# Altium PCB RHR075_GFC_ECAT_DNET_RS485_ALL_rev5.PcbDoc (part 2 of 4)
Units mil, origin at the board's own origin, x right, y up, seen from the top; angles counter-clockwise.
Board outline 4724.41 x 5905.51 mil, 4 copper layers (Top Layer, GND, Mid-Layer 1, Bottom Layer); 386 components, 228 nets, 1523 pads, 966 vias.
Unrouted connection lines stored in the file: 1.
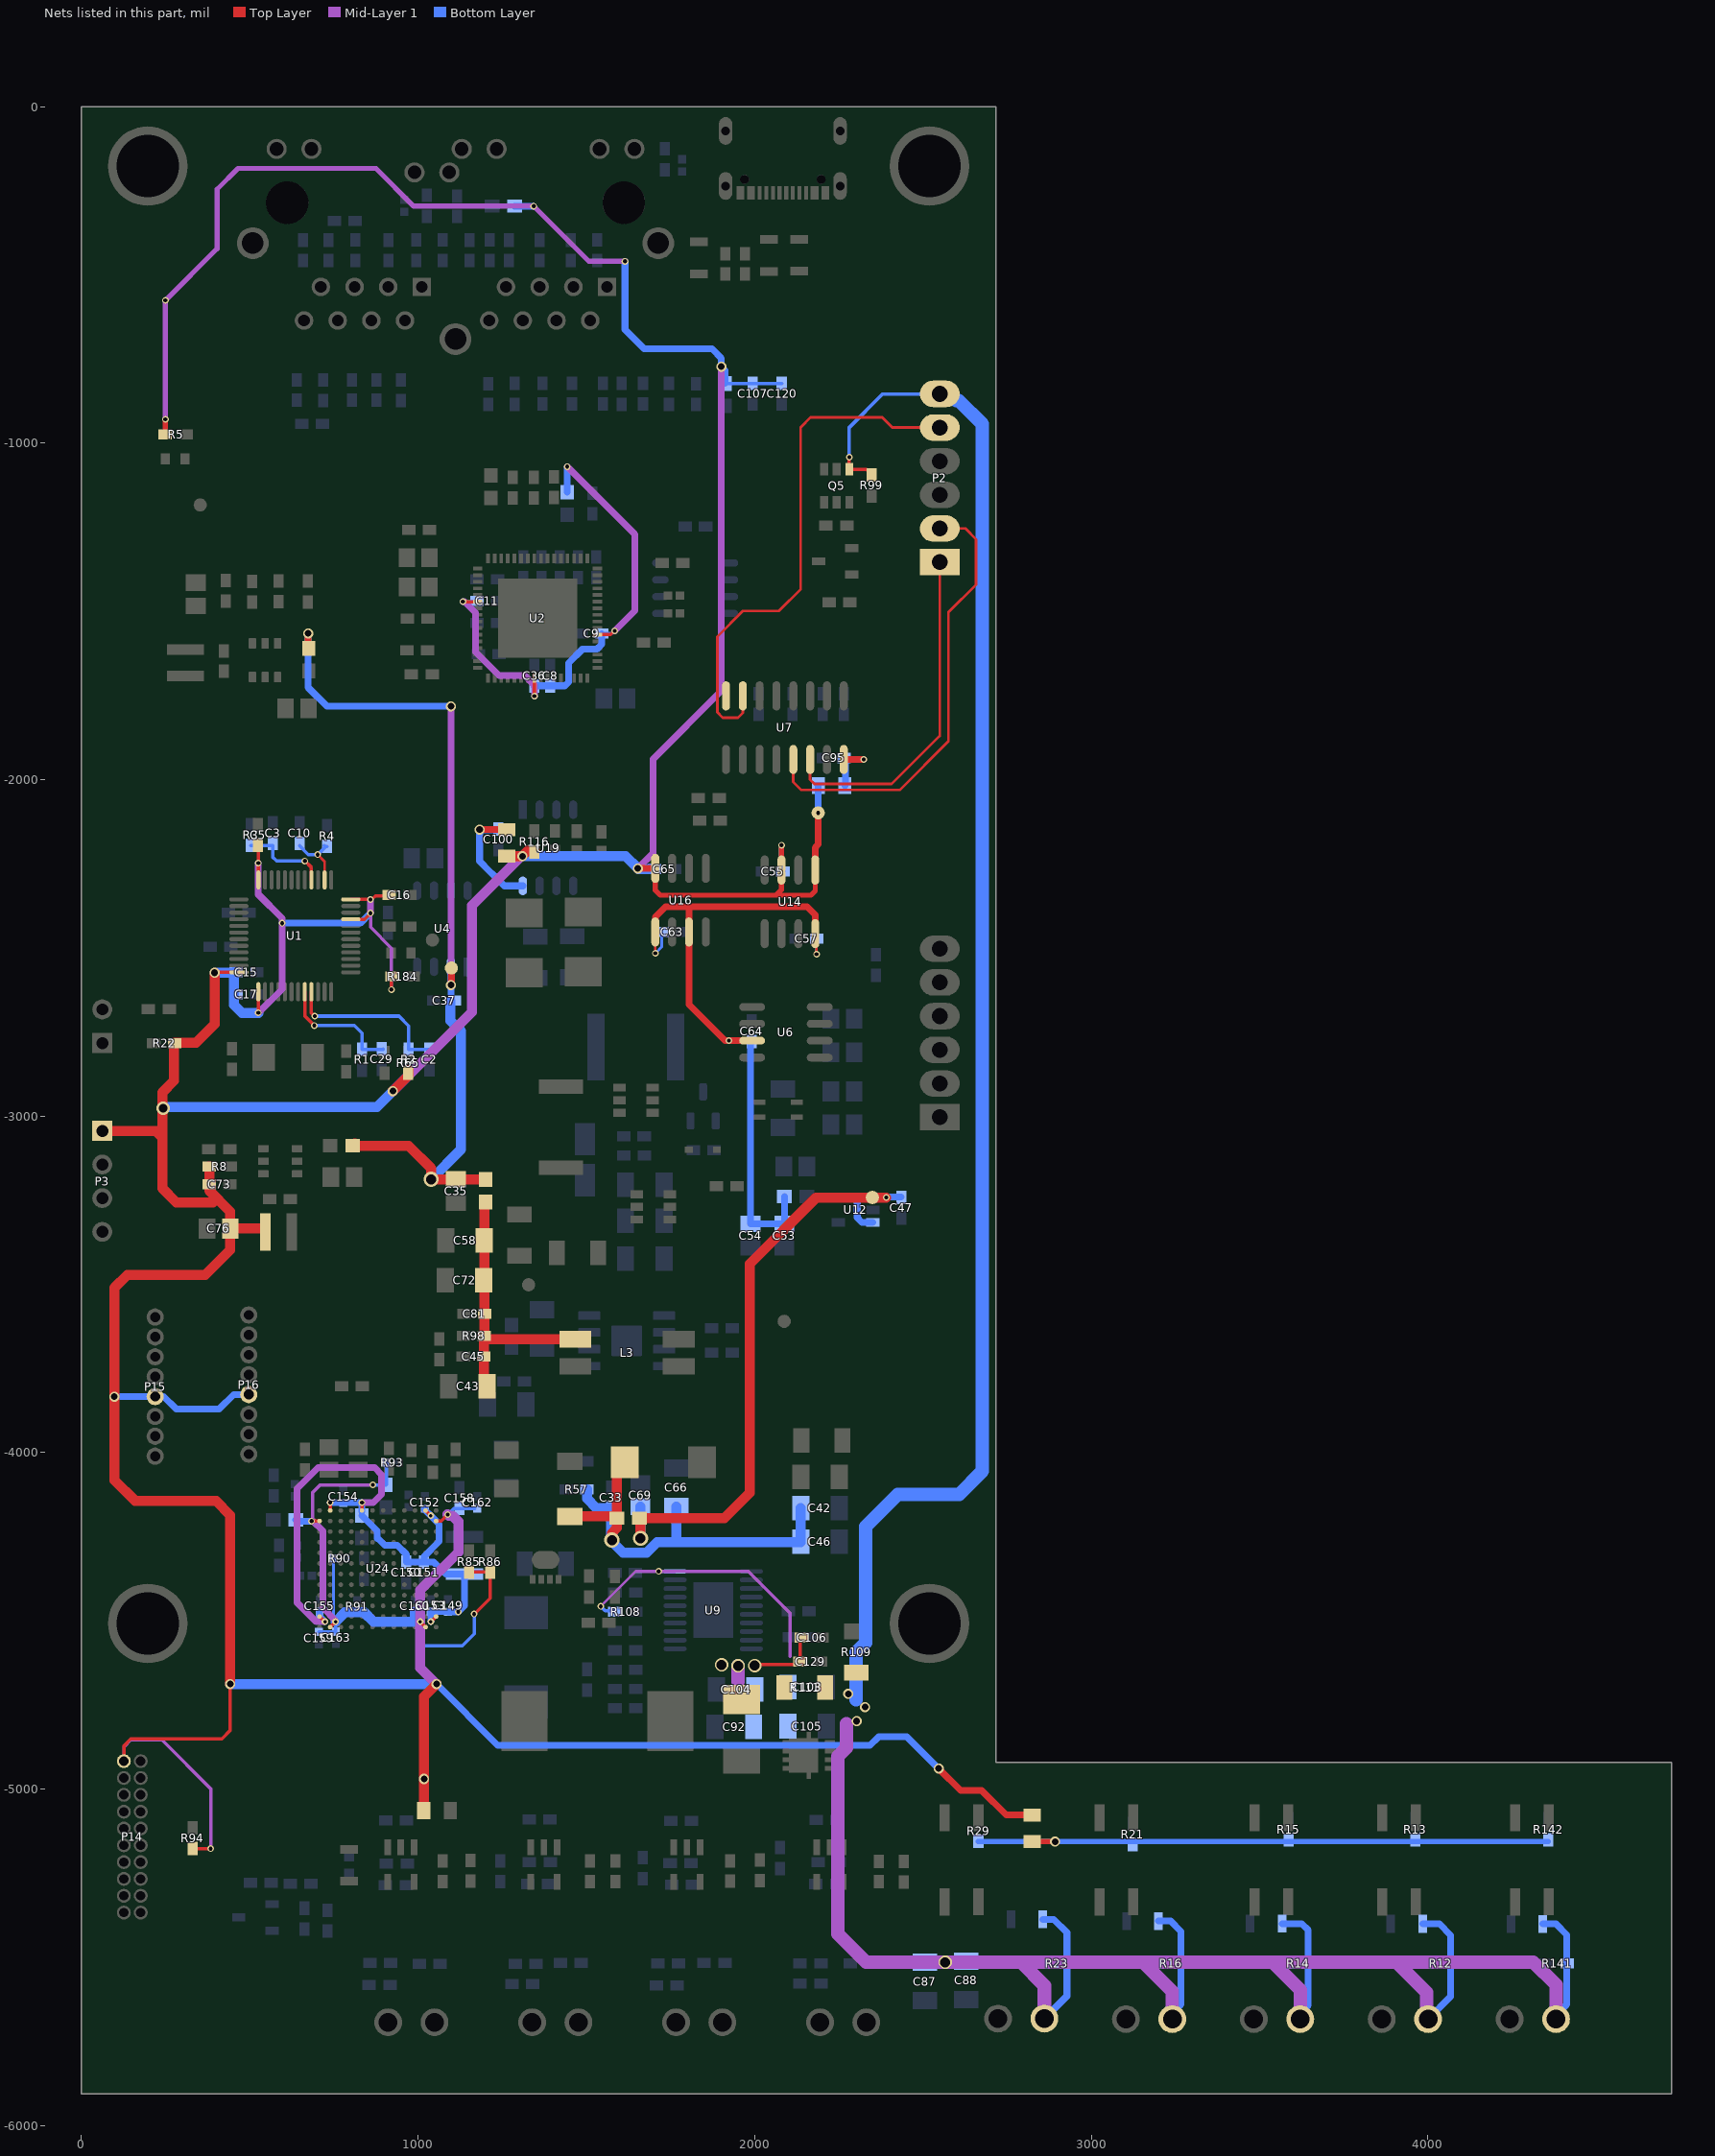
[diagram p4: the nets of this part, all layers, seen from the top]

## Part data
C1 C6 C8 C67 C68 C107 C108 C120 C121: library part Capacitor_0603, Package=0603, PartNumber=CL10A105KB8NNNC, TempCo=[tempco], Tolerance=[tol], Voltage Rating=[voltage], SupplierDescription="CAP CER 1UF 25V X5R 0603"
C2 C3 C5 C10 C14 C15 C16 C17 C26 C29 C30 C61 C89 C90 C93 C94 C98 C100: library part CAP, Package=0603, PartNumber=CC0603KRX7R9BB104
C4 C9 C11 C18 C19 C20 C34 C56 C77 C78 C109 C110 C114 C122 C123 C128: library part Capacitor_0402, Package=0603, PartNumber=CC0603KRX7R9BB104, TempCo=[tempco], Tolerance=[tol], Voltage Rating=[voltage], SupplierDescription="CAP CER 0.1UF 16V X7R 0402"
C7 C12: library part CAP, Package=0603, PartNumber=CC0603JRNPO9BN200
C13 C28 C37: library part CAP, Package=0603, PartNumber=CL10A105KB8NNNC
C21 C22 C25 C32 C33 C47 C55 C57 C63 C64 C65 C70 C81 C101 C115 C117 C118 C119 C130 C136 C138: library part Capacitor_0603, Package=0603, PartNumber=CC0603KRX7R9BB104, TempCo=[tempco], Tolerance=[tol], Voltage Rating=[voltage], SupplierDescription="CAP CER 0.1UF 50V X7R 0603"
C23 C76: library part Capacitor_0805, Package=0805, PartNumber=CL21A226MAYNNNE, TempCo=[tempco], Tolerance=[tol], Voltage Rating=[voltage], SupplierDescription="CAP CER 22UF 10V X5R 0805"
C24 C59: library part Capacitor_0805, Package=0805, PartNumber=CC0805JRNPOBBN100, TempCo=[tempco], Tolerance=[tol], Voltage Rating=[voltage], SupplierDescription="CAP CER 10PF 500V C0G/NP0 0805"
C27 C31 C60 C62: library part Capacitor_1206, Package=1206, PartNumber=CL31B475KBHNNNE, TempCo=[tempco], Tolerance=[tol], Voltage Rating=[voltage], SupplierDescription="CAP CER 4.7UF 50V X7R 1206"
C35 C51 C53 C54 C69 C71: library part Capacitor_0805, Package=0805, PartNumber=CL21A106KBYQNNE, TempCo=[tempco], Tolerance=[tol], Voltage Rating=[voltage], SupplierDescription="CAP CER 10UF 10V X5R 0805"
C36: library part Capacitor_0402, Package=0603, PartNumber=CC0603KRX7R9BB471, TempCo=[tempco], Tolerance=[tol], Voltage Rating=[voltage], SupplierDescription="CAP CER 470PF 50V X7R 0402"
C38: library part Cap, Package=0805, PartNumber=CL21A106KBYQNNE, PackageDescription="Radial Cap, Thru-Hole; 2 Leads; 0.3 in Pin Spacing", PackageReference=RAD-0.3, Published=8-Jun-2000, Publisher="Altium Limited"
C39 C40 C111 C112 C113 C116 C124 C125 C126 C127: library part Capacitor_0603, Package=0603, PartNumber=CC0603JRNPO9BN100, TempCo=[tempco], Tolerance=[tol], Voltage Rating=[voltage], SupplierDescription="CAP CER 10PF 50V C0G/NPO 0603"
C41 C87 C88: library part Capacitor_1206, Package=1206, PartNumber=CL31A106KBHNNNE, TempCo=[tempco], Tolerance=[tol], Voltage Rating=[voltage], SupplierDescription="CAP CER 10UF 25V X5R 1206"
C42: library part Capacitor_1206, Package=1206, PartNumber=GRM31CR61A107MEA8L, TempCo=[tempco], Tolerance=[tol], Voltage Rating=[voltage], SupplierDescription="CAP CER 100UF 10V X5R 1206"
C43 C46 C58 C66 C72: library part Capacitor_1206, Package=1206, PartNumber=GRM31CR61E476ME44L, TempCo=[tempco], Tolerance=[tol], Voltage Rating=[voltage], SupplierDescription="CAP CER 100UF 10V X5R 1206"
C44: library part Capacitor_0603, Package=0603, PartNumber=C0603C220J1GACTU, TempCo=[tempco], Tolerance=[tol], Voltage Rating=[voltage], SupplierDescription="CAP CER 22PF 100V C0G/NP0 0603"
C45 C74 C91: library part Capacitor_0603, Package=0603, PartNumber=0603B103K500NT, TempCo=[tempco], Tolerance=[tol], Voltage Rating=[voltage], SupplierDescription="CAP CER 10000PF 50V X7R 0603"
C48 C49: library part Capacitor_0805, Package=0805, TempCo=[tempco], Tolerance=[tol], Voltage Rating=[voltage], SupplierDescription="CAP CER 10PF 500V C0G/NP0 0805"
C50: library part Capacitor_0805, Package=0805, PartNumber=CC0805KKX7R9BB225, TempCo=[tempco], Tolerance=[tol], Voltage Rating=[voltage], SupplierDescription="CAP CER 2.2UF 25V X7R 0805"
C52: library part Capacitor_0603, Package=0805, PartNumber=GRM188R61A106KE69D, TempCo=[tempco], Tolerance=[tol], Voltage Rating=[voltage], SupplierDescription="CAP CER 10UF 10V X5R 0603"
C73 C156 C157: library part Capacitor_0603, Package=0603, TempCo=[tempco], Tolerance=[tol], Voltage Rating=[voltage]
  C73: SupplierDescription="CAP CER 10000PF 50V X7R 0603"
  C156 C157: SupplierDescription="CAP CER 10PF 50V C0G/NPO 0603"
C75: Operating Temp Range=-55Cto125C, Package / Case=7343-31, Package Reference=TAJ-D-2, Tolerance=±10%, Voltage Rating (DC)=16V, Mounting Style=SurfaceMount, Packaging=TapeandReel, PartNumber=TAJD107K016RNJ, Polarity=Polar, Product Depth (mm)=4.3mm, Product Diameter (mm)=NotRequiredmm, Product Height (mm)=2.9mm, Product Length (mm)=7.3mm, Publisher="Bolgen Studio", Rad Hardened=No, Seal=NotRequired, Seated Plane Height=NotRequiredmm, Wire Form=NotRequired
C79: library part Capacitor_1206, "Capacitor, MLCC", Manufacturer=KEMET, Package=2220, PartNumber=FS55X226K500EHG, Voltage Rating=[voltage]
C80 C83 C84 C92 C103 C104 C105: library part Capacitor_1206, "Capacitor, MLCC", Manufacturer=KEMET, Package=1206, PartNumber=C3216X5R1V226MTJ00E, Voltage Rating=[voltage]
C82: library part Capacitor_1206, Package=1206, PartNumber=CC1206KKX7RDBB102, TempCo=[tempco], Tolerance=[tol], Voltage Rating=[voltage], SupplierDescription="CAP CER 1000PF 1KV X7R 1206"
C85 C86: library part Capacitor_0603, "Capacitor, MLCC", Manufacturer=KEMET, Package=0603, PartNumber=CC0603KRX7R9BB104, Voltage Rating=[voltage]
C95 C96 C97 C99 C161: library part C, Package=0603, PartNumber=CC0603KRX7R9BB104
C102 C131 C137 C139 C144 C147 C150 C151 C158: library part Capacitor_0603, Package=0603, PartNumber=GRM188R61E106MA73D, TempCo=[tempco], Tolerance=[tol], Voltage Rating=[voltage]
  C102 C131 C137 C139: SupplierDescription="CAP CER 0.1UF 50V X7R 0603"
  C144 C147 C150 C151 C158: SupplierDescription="CAP CER 10UF 10V X5R 0603"
C106 C129 C132 C133 C134 C140: library part Capacitor_0603, "Capacitor, MLCC", Manufacturer=KEMET, Package=0603, Voltage Rating=[voltage]
C135: library part Capacitor_0603, "Capacitor, MLCC", Manufacturer=KEMET, Package=0603, PartNumber=CL10A105KB8NNNC, Voltage Rating=[voltage]
C145 C146 C148 C149 C152 C153 C154 C155 C159 C160 C162 C163: library part Capacitor_0402, Package=0402, TempCo=[tempco], Tolerance=[tol], Voltage Rating=[voltage], SupplierDescription="CAP CER 0.1UF 16V X7R 0402"
D1: Minimum Operating Temperature=-65C, Package / Case=SOD-323, Package Description="2-Pin Surface Mount Device, Body 1.7 x 1.3 mm", Package Reference=SOD323-2, PartNumber=BZT52C12S, Pd - Power Dissipation=200mW, Voltage Temperature Coefficient=0.25mV/C, Voltage Tolerance=5%, Vz - Zener Voltage=12V, Zener Current=5mA, Mounting Style=SMD/SMT, Mounting Technology=SurfaceMount, Package URL=http://www.vishay.com/docs/71192/71192.pdf, Packaging=Reel, Product Category=ZenerDiodes, RoHS=True, Series=BZT52C12, Termination Style=SMD/SMT, Unit Weight=0.000173oz, Width=1.4mm, Zz - Zener Impedance=40Ohms
D2: PartNumber=SM340AF, Mounting Technology="Surface Mount", PackageDescription="2-Pin Small Molded Package, Body 2.6 x 4.3 mm", PackageReference=SMA-FL-2-403AA-01, PackageVersion="Rev. O, 03/2011", Packing="Tape and Reel", PPK Max (W)=600, RoHS=Pb-Free, V(BR) Typ (V)=6.7
D3 D4 D7 D10 D59: library part LL4148, PartNumber=1N4148WS, 制造商=VISHAY, 名称=快速开关二极管, 版本=V1.00, 物料编号=APLLY
D5 D6 D8 D13 D78 D79: library part "DIODE S"
  D5 D6 D8: PartNumber=CESDB5V0D3
  D13: PartNumber=PESD3V3L1BA
  D78 D79: PartNumber=SMBJ6.5A
D9: library part SMAJ12CA, Package Description="2-Pin Surface Mount Device, Body 4.295 x 2.595 mm", Package Reference=DO-214AC, Power Dissipation=400W, Mounting Technology=SurfaceMount, PartNumber=SMAJ33CA
D11 D12: library part FSV340AF, "Schottky Barrier Rectifier, 40 V, 2-Pin SMA-FL, Pb-Free, Tape and Reel", Manufacturer="On Semiconductor"
  D11: PartNumber=SS10200B
  D12: PartNumber=B540C-13-F
F5: library part "Fuse 1", PartNumber=BSMD1206-050-30V, PackageDescription="Thru-Hole; 2 Leads", PackageReference=PIN-W2/E2.8, Published=8-Jun-2000, Publisher="Altium Limited"
F7 F8: library part "Fuse 1", PartNumber=SMD1210-020, PackageReference=PIN-W2/E2.8, Published=8-Jun-2000, Publisher="Altium Limited"
FB1 FB2 FB4 FB5 FB10 FB11 FB12 FB15 FB16 FB17: PartNumber=BLM18AG601SN1D, SupplierDescription="FERRITE BEAD 600 OHM 0603 1LN"
FB3: library part FBC0603, PartNumber=BLM31PG121SN1L, SupplierDescription="FERRITE BEAD 600 OHM 0603 1LN"
FB6 FB9 FB18: PartNumber=PE-0603PFB121ST, SupplierDescription="FERRITE BEAD 600 OHM 0603 1LN"
FB7 FB8 FB13 FB14: library part FB, Package=0805, PartNumber=BLM21PG221SN1D, Part Field 1="磁珠/0603/1K ohm/100MHz", Text Field1=FB
J1: library part "TYPE C_16P", PartNumber=TYPEC-304J-BCP16
L1 L2: Operating Temperature=-40°C~105°C, Package / Case=Nonstandard, Package Description="2-Pin Surface Mount Device, Body 10 x 9.7 mm", Package Reference=VLS252012, Standard Package=500, Tolerance=±20%, Mounting Technology=SurfaceMount, Mounting Type=SurfaceMount, Online Catalog=VLSSeries, Packaging=Tape&Reel(TR), PartNumber=BDCD002520122R2MS1, Series=VLF, Shielding=Shielded, Type=Wirewound
L3: Tolerance="+/- 10%", Mounting Technology="Surface Mount", One Winding (A)=0.58, PackageDescription="4-Pin SMD, Body 10.3 x 10.3 mm, Height 4.8 mm", PackageReference=MSD1048-4, Packing="Tape and Reel", PartNumber=MSD1048-103MED, RoHS=TRUE, SRF (MHz)=22
L4: Operating Temperature=-40degC~85degC, Package / Case=1210(3225Metric),4Lead, Package Description="4-Pin Surface Mount Device, Body 3.2 x 2.5 mm, Pitch 1.15 mm", Package Reference=ACP3225-102-2P-T000-4, PartNumber=AD8615AUJZ-R2, Standard Package=1, Mounting Type=SurfaceMount, Number of Lines=2, Online Catalog=ACPSeries, Other Names=445-8637-6, Packaging=Digi-Reel, Series=ACP, Size / Dimension="0.126\"Lx0.098\"W(3.20mmx2.50mm)"
L5: library part FXL0630-100-M, "Wire Wound Molded SMD Power Inductor, 10 uH, +/- 20%, -40 to 105 degC, 2-Pin SMD (0630), RoHS, Tape and Reel", Manufacturer="CJiang Technology", PartNumber=FCH1365-220M
L7: PartNumber=1276AS-H-100M=P2, Rated Current="250 mA", Mounting Technology="Surface Mount", PackageDescription="2-Pin SMT Inductor, 3.2 x 2.5 mm Body", PackageReference=IND1210
LED1 LED2: library part LED, Package=0603
P1 P5 P6 P7 P8 P10 P11 P12 P13: library part "Header 2", PartNumber=KF250NH-3.5-2P, Publisher="Altium Limited"
P2 P4: library part "Header 6", PartNumber=ZX-XH2.54-6PZZ, Publisher="Altium Limited"
P3: PartNumber=PZ254V-11-04P, Publisher="Altium Limited"
P9: PartNumber=PZ254V-11-02P, Publisher="Altium Limited"
P14: Package Description="Male Header, Pitch 1.27 mm, 2 x 10 Position, Height 6.25 mm", Mounting Technology=THT, Mounting Type=THT, Number of Positions=20, Number of Positions Loaded=All, Number of Rows=2, Package Reference=FTSH-110-01-F-D-K, Package URL=http://suddendocs.samtec.com/prints/ftsh-1xx-xx-xxx-dv-xxx-xxx-mkt.pdf, Packaging=Tube, Pitch="0.050\"(1.27mm)", Row Spacing="0.050\"(1.27mm)", Series=FTSH, Termination=Solder
P15 P16: library part "Header 8", "Header, 8-Pin", LatestRevisionDate=17-Jul-2002, LatestRevisionNote="Re-released for DXP Platform.", PartNumber=HC-ZH1.5-8A, Publisher="Altium Limited"
Q1 Q2: Package Description="6-Pin Thin Small Outline Package, Body 3 x 1.65 mm, Pitch 1.00 mm", Package Reference=TSOP-6, PartNumber=PMN50XP-VB, Rated Power Dissipation=2W, Mounting Technology=SurfaceMount, Qg Gate Charge=25nC
Q3: library part PUT, "Programmable Unijunction Transistor", PartNumber=TLV431BIDBZR, LatestRevisionDate=17-Jul-2002, LatestRevisionNote="Re-released for DXP Platform.", PackageReference=TO-52, Published=8-Jun-2000, Publisher="Altium Limited"
Q4: library part NPN, "NPN Bipolar Transistor", Code_JEDEC=TO-226-AA, LatestRevisionDate=17-Jul-2002, LatestRevisionNote="Re-released for DXP Platform.", PackageReference=TO-226, PartNumber=MMBTA05L, Published=8-Jun-2000, Publisher="Altium Limited"
Q5: "Automotive P-Channel MOSFET, 6.9 A, 40 V, -55 to 175 degC, 6-Pin TSOP, RoHS, Tape and Reel", Drain-Source On Resistance-Max=112mO, Drain-to-Source Voltage [Vdss]=40V, Manufacturer="International Rectifier", Package Description="6-Pin Thin Small Outline Package, Body 3 x 1.65 mm, Pitch 1.00 mm", Package Reference=TSOP-6, PartNumber=PMN50XP-VB, Rated Power Dissipation=2W, Channel Type=P-Channel, Datasheet URL=https://www.vishay.com/docs/65332/sq3419aeev.pdf, Datasheet Version=04/2010, Manufacturer URL=https://www.vishay.com/, Mounting Technology=SurfaceMount, Qg Gate Charge=25nC
Q6: Manufacturer="HXY MOSFET(华轩阳电子)", PartNumber=AON7264E-HXY
Q7: library part GT700P08D3, Manufacturer=GOFORD(谷峰), PartNumber=GT130N10D3
Q9: library part OEM_Diodes_MMBT4403, PartNumber=MMBT4403-7-F
R1 R2 R3 R4: library part Resistor_0603, Package=0603, PartNumber=RC0603FR-0749R9L, Power Rating=[power], TempCo=[tempco], Tolerance=tol, SupplierDescription="RES SMD 1K OHM 1% 1/10W 0603"
R5 R10 R31 R73 R184: library part R, Package=0603, PartNumber=RC0603FR-071KL
R6: library part Resistor_0402, Package=0603, PartNumber=RC0603FR-0710KL, Power Rating=[power], TempCo=[tempco], Tolerance=tol, SupplierDescription="RES SMD 10K OHM 1% 1/10W 0402"
R7: library part Resistor_2512, Package=2512, Power Rating=[power], TempCo=[tempco], Tolerance=tol, SupplierDescription="RES 0.68 OHM 5% 1W 2512"
R8 R26: library part Resistor_0603, Package=0603, PartNumber=RC0603FR-0733KL, Power Rating=[power], TempCo=[tempco], Tolerance=tol, SupplierDescription="RES SMD 33K OHM 1% 1/10W 0603"
R9 R24 R30: library part Resistor_0603, Package=0603, PartNumber=RC0603FR-0710KL, Power Rating=[power], TempCo=[tempco], Tolerance=tol, SupplierDescription="RES SMD 10K OHM 1% 1/10W 0603"
R11 R32 R71 R80 R92: library part Resistor_0603, Package=0603, PartNumber=RC0603JR-070RL, Power Rating=[power], TempCo=[tempco], Tolerance=tol
  R11 R32: SupplierDescription="RES SMD 1K OHM 1% 1/10W 0603"
  R71 R80 R92: SupplierDescription="RES SMD 0 OHM JUMPER 1/10W 0603"
R12 R14 R16 R23 R141: library part Res0805M, Package=0603, PartNumber=RC0603FR-0751KL
R13 R15 R21 R29 R142: library part RES2, Package=0603, PartNumber=RC0603FR-07510RL
R17 R20 R66 R74: library part Resistor_0402, Package=0402, PartNumber=MR04X1002FTL, Power Rating=[power], TempCo=[tempco], Tolerance=tol, SupplierDescription="RES SMD 10K OHM 1% 1/10W 0402"
R18: library part Resistor_0402, Package=0603, PartNumber=RC0402FR-0733RL, Power Rating=[power], TempCo=[tempco], Tolerance=tol, SupplierDescription="RES SMD 33 OHM 1% 1/16W 0402"
R19: library part Resistor_1206, Package=1206, PartNumber=RC1206FR-071ML, Power Rating=[power], TempCo=[tempco], Tolerance=tol, SupplierDescription="RES SMD 1M OHM 1% 1/4W 1206"
R22 R38 R39 R45 R46 R56 R60 R62 R65 R82: library part R, Package=0603, PartNumber=RC0603FR-0710KL
R25 R33 R50 R54 R55 R108: library part Resistor_0603, "Resistor, Standard", Manufacturer=Yageo, Package=0603
R27: library part Resistor_0603, Package=0603, PartNumber=RS-03K1212FT, Power Rating=[power], TempCo=[tempco], Tolerance=tol, SupplierDescription="RES 12.1K OHM 1% 1/10W 0603"
R28: library part Resistor_0603, Package=0603, PartNumber=RK73H1JTTD16R0F, Power Rating=[power], TempCo=[tempco], Tolerance=tol, SupplierDescription="RES SMD 20 OHM 1% 1/8W 0603"
R34 R40 R47 R49 R51 R61 R63 R83 R116 R192: library part R, Package=0603, PartNumber=RC0603FR-07100KL
R35 R85 R86: library part Resistor_0603, Package=0603, PartNumber=RC0603FR-071KL, Power Rating=[power], TempCo=[tempco], Tolerance=tol, SupplierDescription="RES SMD 1K OHM 1% 1/10W 0603"
R36: library part Resistor_0603, Package=0603, PartNumber=FRC0603F1692TS, Power Rating=[power], TempCo=[tempco], Tolerance=tol, SupplierDescription="RES SMD 16.9K OHM 1% 1/10W 0603"
R37 R42 R43 R52 R53 R58 R59 R95 R96 R193: library part R, Package=0603
R41 R64 R94: library part Resistor_0603, Package=0603, Power Rating=[power], TempCo=[tempco], Tolerance=tol
  R41 R64: SupplierDescription="RES SMD 1K OHM 1% 1/10W 0603"
  R94: SupplierDescription="RES SMD 10K OHM 1% 1/10W 0603"
R44 R48 R81 R84: library part R, Package=0603, PartNumber=RT0603BRD0775RL
R57: library part Resistor_0603, Package=0603, PartNumber=RT0603BRD07100RL, Power Rating=[power], TempCo=[tempco], Tolerance=tol, SupplierDescription="RES SMD 100 OHM 1% 1/10W 0603"
R67 R68 R69 R70 R76 R77 R78 R79: library part Resistor_0603, Package=0603, PartNumber=0603WAF499JT5E, Power Rating=[power], TempCo=[tempco], Tolerance=tol, SupplierDescription="RES SMD 49.9 OHM 1% 1/10W 0603"
R72 R75: library part Resistor_0603, Package=0603, PartNumber=RC0603FR-07120RL, Power Rating=[power], TempCo=[tempco], Tolerance=tol, SupplierDescription="RES SMD 120 OHM 1% 1/10W 0603"
R87 R88: library part R, Package=0603, PartNumber=RC0603FR-074K7L
R89 R90 R91 R93: library part Resistor_0402, Package=0402, Power Rating=[power], TempCo=[tempco], Tolerance=tol
  R89: SupplierDescription="RES SMD 6.49K OHM 1% 1/16W 0402"
  R90 R91 R93: SupplierDescription="RES SMD 10K OHM 1% 1/10W 0402"
R97: library part Resistor_0603, "Resistor, Standard", Manufacturer=Yageo, Package=0603, PartNumber=RC0603FR-0710KL
R98: library part Resistor_0603, Package=0603, PartNumber=0603WAF7502T5E, Power Rating=[power], TempCo=[tempco], Tolerance=tol, SupplierDescription="RES SMD 75K OHM 1% 1/10W 0603"
R99 R101: library part Resistor_0603, "Resistor, Standard", Package=0603, PartNumber=RC0603FR-0710KL, TempCo=[tempco], Tolerance=tol, ComponentLink1Description=Datasheet, SupplierDescription="RES SMD 0 OHM JUMPER 1/10W 0603"
R100: library part Resistor_0603, "Resistor, Standard", Package=0603, PartNumber=RC0603FR-071KL, TempCo=[tempco], Tolerance=tol, ComponentLink1Description=Datasheet, SupplierDescription="RES SMD 0 OHM JUMPER 1/10W 0603"
R102: library part Res1, "Resistor", Package=0603, PartNumber=RT0603BRD07100RL, LatestRevisionDate=17-Jul-2002, LatestRevisionNote="Re-released for DXP Platform.", PackageReference=AXIAL-0.3, Published=8-Jun-2000, Publisher="Altium Limited"
R103 R105: library part Res1, "Resistor", Package=0603, PartNumber=RT0603BRD0720KL, LatestRevisionDate=17-Jul-2002, LatestRevisionNote="Re-released for DXP Platform.", PackageReference=AXIAL-0.3, Published=8-Jun-2000, Publisher="Altium Limited"
R104: library part Res1, "Resistor", Package=0603, PartNumber=RT0603BRD07200RL, LatestRevisionDate=17-Jul-2002, LatestRevisionNote="Re-released for DXP Platform.", PackageReference=AXIAL-0.3, Published=8-Jun-2000, Publisher="Altium Limited"
R106: library part Resistor_0603, "Resistor, Standard", Manufacturer=Yageo, Package=1206
R107: library part Resistor_0603, "Resistor, Standard", Manufacturer=Yageo, Package=0603, PartNumber=RC0603FR-071KL
R109 R111: library part Resistor_2512, Package=1206, Power Rating=[power], TempCo=[tempco], Tolerance=tol, SupplierDescription="RES 0.68 OHM 5% 1W 2512"
R110: library part R, Package=0603, PartNumber=RC0603FR-07120RL
T12: Operating Temperature="0 to +70degC", Part Number=KRJ-211GYNL, Mounting Technology=THT, Packaging=Tube, PartNumber=KRJ-215GYZNL, PoE=non-PoE, Port Number=1x2, Published Date="July 2019", Publisher=DGKYD, Shield Tabs=Yes, Tab=Down, USB=No
U1: Operating Frequency(F) (Processor speed) (MHz)=170, Package Description="48-Pin Low Profile Quad Flat Package, Body 7 x 7 mm, Pitch 0.5 mm", Package Reference=LQFP48, Supply Voltage(Vcc) max (V)=3.6, Supply Voltage(Vcc) min (V)=1.71, Mounting Technology="Surface Mount", Packing=Tray, PartNumber=STM32G473CET6
U2: library part LAN9252_QFN64, Package=QFN64-9X9x1, Supplier Part Number 1=LAN9252I/ML-ND, Owner=Manikandan, PartNumber=LAN9252, Populated=Yes, RoHS=Yes, Status=New, Supplier 1=Digikey
U3: Memory Case Style=SOIC, Operating Temperature Max=85°C, Operating Temperature Min=-40°C, Package Description="8-Pin Small Outline Integrated Circuit, Body 4.9 x 3.9 mm, Pitch 1.27 mm", Package Reference=SO8N, Supply Voltage Max=5.5V, Supply Voltage Min=1.8V, Memory Size=512Kbit, Mounting Technology=SurfaceMount, MSL=-, No. of Pins=8Pins, Packaging=Each, PartNumber=M24512-RMN6TP, Product Range=32KbitSerialSPIEEPROMs, SVHC=NoSVHC(17-Dec-2015)
U4: library part REF5030, PartNumber=REF5030IDR
U5 U10: Min Operating Temperature="-40 degC", Package Quantity=1, Resistance="50 Ohm", Mount="Surface Mount", PackageDescription="6-Pin Small Outline Transistor, Body 2.9 x 1.6 mm, Pitch 0.95 mm", PackageReference=DDC0006A, Packaging="Cut Tape", PartNumber=TPS562201DDCR, Pins=5, RoHSCompliant=true, Shielding=Unshielded, Width="1.01 mm"
U6: Package / Case="8-SOIC(0.154\",3.90mmWidth)", Package Description="8-Pin Small Outline Integrated Circuit, Body 4.9 x 3.9 mm, Pitch 1.27 mm", Package Reference=SOT96-1, Standard Package=1, Supplier Device Package=8-SO, Voltage - Supply=4.75V~5.25V, Minimum Quantity=Transceiver, Mounting Type=SurfaceMount, Number of Drivers/Receivers=1/1, Other Names=568-10292-1, Package/Case="8-SOIC(0.154\",3.90mmWidth)", Packaging=CutTape(CT), PCN Obsolescence="TJA105028/Apr/2013 /  / MultipleDevices19/Apr/2013", PCN Packaging=LighterPackingReels30/Mar/2014, Product Training Modules=CANandLINBusTransceiver, Protocol=CAN, Quantity Available=CutTape(CT)AlternatePackaging, Receiver Hysteresis=70mV, Type=Transceiver
U8 U20 U21 U22: library part AD8615, PartNumber=AD8615AUJZ-R2
U9: Manufacturer=TI(德州仪器), PartNumber=LM25118MHX/NOPB
U12: Min Current Limit=400mA, Min Input Voltage=2.5V, Min Operating Temperature=-40degC, Nominal Output Voltage=3.3V, Output Current=300mA, Package Description="5-Pin Small Outline Transistor, Body 1.6 x 2.9 mm, Pitch 0.95 mm", Package Reference=SOT-23, Mount=SurfaceMount, Mounting Technology=SurfaceMount, Number of Pins=5, Number of Regulators=1, Output Voltage=3.3V, Packaging=CutTape, PartNumber=ME6119C50M5G, REACH SVHC=NoSVHC, RoHSCompliant=True
U13 U15 U17 U18 U33: library part Optoisolator1, PackageReference=DIP-4, PartNumber=AQY212S, Published=24-Mar-1999, Publisher="Altium Limited"
U19: library part SN65HVD06D, PartNumber=BL3085
U24: Operating Frequency(F) (Processor speed) (MHz)=72, Mounting Technology="Surface Mount", PackageDescription="144-Ball Low Profile Fine Pitch BGA, 10 x 10 x 1.7 mm Body, 0.8 mm Pitch", PackageReference=LFBGA144, Packing=Tray, PartNumber="NETX 90"
X1 X2: library part 7M-25.000MEEQ-T, Operating Mode=Fundamental, Operating Temperature=-20°C~70°C, Package / Case=4-SMD,NoLead(DFN,LCC), Package Description="4-Pin Surface Mount Device, Body 3.2 x 2.5 mm", Package Reference=7M-4, Standard Package=1, Mounting Technology=SurfaceMount, Mounting Type=SurfaceMount, Other Names=887-1329-1, Packaging=CutTape(CT), PartNumber=X322525MMB4SI, Series=7M, Size / Dimension="0.126\"Lx0.098\"W(3.20mmx2.50mm)", Type=MHzCrystal
Y1: library part XTAL, PartNumber=X50328MSB2GI
U7: PartNumber=MAX3232ESE+
U11: PartNumber=LMR36520FADDAR, Publisher="Bolgen Studio"
U14 U16: Mounting Technology="Surface Mount", PackageDescription="8-Pin Standard Small Outline Package, Body 4.9 x 3.9 mm, Pitch 1.27 mm", PackageReference=R-8, PackageVersion="060506-A, 06/2006", PartNumber=ADUM1100ARZ-RL7

## Via types
v1: diameter 20, hole 12, Top Layer to Bottom Layer, tented both sides, 860 vias
v2: diameter 30, hole 20, Top Layer to Bottom Layer, tented both sides, 27 vias
v3: diameter 19.68, hole 9.84, Top Layer to Bottom Layer, 25 vias
v4: diameter 20, hole 10, Top Layer to Bottom Layer, tented both sides, 20 vias
v5: diameter 45, hole 30, Top Layer to Bottom Layer, tented both sides, 13 vias
v6: diameter 40, hole 30, Top Layer to Bottom Layer, tented both sides, 8 vias
v7: diameter 24, hole 12, Top Layer to Bottom Layer, 4 vias
v8: diameter 19.68, hole 7.87, Top Layer to Bottom Layer, 4 vias
v9: diameter 60, hole 40, Top Layer to Bottom Layer, tented both sides, 2 vias
v10: diameter 40, hole 20, Top Layer to Bottom Layer, tented both sides, 1 vias
v11: diameter 80, hole 60, Top Layer to Bottom Layer, tented both sides, 1 vias
v12: diameter 40, hole 25, Top Layer to Bottom Layer, tented both sides, 1 vias

## Nets (pads, with @x,y where several pads share a name; then routed paths per layer and width w, separated by ;. In a path a pad name is that pad's centre, name@x,y a point inside that pad or via, vN(x,y) a via of type N, cw(c..) or ccw(c..) an arc to the next point about the centre after c; other vN are vias at no path point)
3.3V_ISO: FB7.1 R13.2 R15.2 R21.2 R29.2 R142.2 | length 1762
  Top Layer w15: FB7.1@2825,-5156 v2(2893,-5156)
  Bottom Layer w15: R29.2@2664,-5155.57 3124,-5155.57 3587,-5155.57 3963,-5155.57 R142.2@4358,-5155.57
5V_DNET: C53.1 C54.1 C57.1 C63.1 C64.1 FB5.2 U6.3 U14.8 U16.1 U16.3 | length 2166.5
  Top Layer w8: v1(1705,-2516) U16.1@1705,-2453 ; v1@2180,-2515 v1(2183.98,-2518.98) 2183.98,-2476.5 2180,-2472.51 U14.8@2180,-2458
  Top Layer w20: U16.1@1705,-2453 1705,-2408 1735,-2378 2156,-2378 2180,-2402 U14.8@2180,-2458 ; 1805,-2380 U16.3@1805,-2453 1805,-2669 1912,-2776 v1(1924,-2776) U6.3@1992.61,-2776
  Bottom Layer w8: v1(1705,-2516) 1724.02,-2496.98 C63.1@1724.02,-2453 ; C64.1@1986.98,-2776 1989.02,-2776 C64.1@1992,-2778.98 ; v1(2183.98,-2518.98) C57.1@2183.98,-2472.51
  Bottom Layer w20: v1(1924,-2776) 1986.98,-2776 C64.1@1988,-2777.02 ; C64.1@1989.02,-2776 C64.1@1988,-2777.02 ; FB5.2@2088.52,-3238.65 2088.52,-3320.58 C53.1@2088,-3321.1 2087.45,-3320.55 C54.1@1988,-3320.55 C64.1@1988,-2777.02
24V_F: C87.1 C88.1 D3.2 D4.2 D7.2 D10.2 D59.2 P2.6 P7.1 P10.1 P11.1 P12.1 P13.1 Q5.4 R12.2 R14.2 R16.2 R23.2 R99.1 R109.1 R111.1 R141.2 | length 10403.3
  Top Layer w10: v1(2281.4,-1042.4) Q5.4@2281.4,-1077.79 2330.77,-1077.79 2333,-1080.02 2338,-1080.02 2348,-1090.02 R99.1@2348,-1095.02
  Mid-Layer 1 w40: 2273,-4806 2273,-4877 2247,-4903 2247,-5430.65 2330.78,-5514.43 v6(2566,-5514.43) 2791.43,-5514.43 ; P13.1@2861,-5682 2861,-5584 2791.43,-5514.43 ; P12.1@3241,-5683.51 3241,-5601 3154.43,-5514.43 ; P11.1@3621,-5683.51 3621,-5597 3538.43,-5514.43 ; P10.1@4001,-5683.51 3997,-5679.51 3997,-5604.43 3907,-5514.43 ; P7.1@4381,-5683.51 4381,-5582 4313.43,-5514.43 3907,-5514.43 ; 2791.43,-5514.43 3154.43,-5514.43 ; 3154.43,-5514.43 3538.43,-5514.43 ; 3538.43,-5514.43 3907,-5514.43
  Bottom Layer w10: v1(2281.4,-1042.4) 2281.4,-953.6 2381,-854 P2.6@2550,-854
  Bottom Layer w20: C87.1@2506,-5514.43 v6(2566,-5514.43) 2626,-5514.43 C88.1@2629,-5511.43 ; D10.2@2856.59,-5387 2889,-5387 2928,-5426 2928,-5615 P13.1@2861,-5682 ; D7.2@3199.59,-5392 3236,-5392 3267.06,-5423.06 3267.06,-5640.5 3241,-5666.55 P12.1@3241,-5683.51 ; D4.2@3567,-5400 3626,-5400 3645,-5419 3645,-5642.55 3621,-5666.55 P11.1@3621,-5683.51 ; D3.2@3984.59,-5400.51 4034.51,-5400.51 4068.06,-5434.06 4068.06,-5616.46 P10.1@4001,-5683.51 ; D59.2@4342,-5401 4381,-5401 4413,-5433 4413,-5640.46 4381,-5672.46 P7.1@4381,-5683.51
  Bottom Layer w40: 2302,-4734 2302,-4593 2330,-4565 2330,-4220 2426,-4124 2608,-4124 2677,-4055 2677,-944 2606.37,-873.37 2599.54,-873.37 2580.17,-854 P2.6@2550,-854
  other v2: 2303,-4798 2328,-4756 2278,-4717
24V_O: C92.1 C103.1 C104.1 C105.1 C106.1 C129.1 D11.2 R108.1 R111.2 U9.10 | length 1131.1
  Top Layer w10: v6@2003,-4630 C129.1@2133.02,-4630 ; C129.1@2135.02,-4621 2135.02,-4554 C106.1@2139.02,-4550
  Mid-Layer 1 w8: v1(1543,-4457) 1647,-4353 1648,-4353
  Mid-Layer 1 w10: 1648,-4353 v1(1715,-4353) 1981,-4353 2105,-4477 2105,-4605
  Mid-Layer 1 w40: 1951,-4680.5 v6(1951,-4634)
  Bottom Layer w10: v1(1543,-4457) 1555.87,-4469.87 1582.03,-4469.87 R108.1@1585.02,-4472.86 ; v1(1715,-4353) 1715.16,-4352.84 U9.10@1763.88,-4352.84
  other v6: 2000,-4633 1902,-4631
232_3V3: C95.1 FB8.1 U7.16 | length 189.3
  Top Layer w20: U7.16@2265,-1940.49 v1(2324.51,-1940.49)
  Bottom Layer w20: FB8.1@2268,-2018 2270.06,-2015.94 C95.1@2270.06,-1942 ; C95.1@2271.57,-1940.49 v1(2324.51,-1940.49)
232_RXD1: P2.2 U7.13 | length 1352.7
  Top Layer w8: U7.13@2115,-1940.49 2115,-2007 2139,-2031 2431,-2031 2576,-1886 2576,-1503 2658,-1421 2658,-1286 2626,-1254 P2.2@2550,-1254
232_RXD2: U7.8
232_TXD1: P2.1 U7.14 | length 1025.1
  Top Layer w8: U7.14@2165,-1940.49 2165,-2000 2178,-2013 2407,-2013 2550,-1870 P2.1@2550,-1354
232_TXD2: P2.5 U7.7 | length 1588.8
  Top Layer w8: U7.7@1965,-1751.51 1965,-1802 1951,-1816 1905,-1816 1889,-1800 1889,-1575 1965,-1499 2072,-1499 2137,-1434 2137,-953 2166,-924 2379,-924 2409,-954 P2.5@2550,-954
485_3V3: C100.2 FB13.1 U19.8 | length 392.9
  Top Layer w20: v2(1183,-2149) FB13.1@1264,-2149
  Bottom Layer w20: C100.2@1242,-2149.94 1183.94,-2149.94 v2(1183,-2149) 1183,-2243 1212,-2272 1222.97,-2282.97 1255.94,-2315.94 U19.8@1311.31,-2315.94
+1.2V: C8.1 C9.1 C11.1 C36.1 FB1.1 U2.6 U2.24 U2.38 | length 1676
  Top Layer w10: v1(1133.26,-1471.26) U2.6@1177.92,-1471.26 ; v1(1345.64,-1752.36) U2.24@1345.64,-1698.03 ; U2.38@1533.04,-1569.68 1533.35,-1569.37 1572.63,-1569.37 v1(1584,-1558)
  Mid-Layer 1 w20: v1(1133.26,-1471.26) 1138.61,-1471.26 1171,-1503.64 1171,-1621 1241,-1691 1317,-1691 1345.64,-1719.64 v1(1345.64,-1752.36) ; v1(1443,-1070) 1644,-1271 1644,-1498 v1(1584,-1558)
  Bottom Layer w10: v1(1133.26,-1471.26) 1173.71,-1471.26 C11.1@1175.5,-1469.47 ; C36.1@1345.48,-1721.45 1345.64,-1721.61 v1(1345.64,-1752.36) ; C9.1@1545.46,-1566.47 1575.53,-1566.47 v1(1584,-1558)
  Bottom Layer w20: C36.1@1345.48,-1721.45 C8.1@1392.48,-1721.45 1436.55,-1721.45 1447,-1711 1447,-1654 1488,-1613 1531,-1613 1545.46,-1598.54 C9.1@1545.46,-1566.47 ; FB1.1@1443,-1146 v1(1443,-1070)
+1.2V_D: C149.1 C150.1 C151.1 C152.1 C153.1 C154.1 C155.1 FB18.1 L7.2 U24.B1 U24.B12 U24.M2 U24.M8 U24.M11 | length 1959.9
  Top Layer w10: U24.B12@707.51,-4486.99 v4(723.26,-4502.74) ; U24.M11@739.01,-4172.03 v1(739.01,-4148.5) ; U24.M8@833.5,-4172.03 v1(833.5,-4148.5) ; U24.M2@1022.47,-4172.03 v4(1038.22,-4187.78) ; v4(1038.22,-4502.74) U24.B1@1053.97,-4486.99
  Mid-Layer 1 w20: v4(723.26,-4502.74) 697.74,-4502.74 641,-4446 641,-4107 703,-4045 871,-4045 892,-4066 892,-4094 892,-4105.36 892,-4124 867.5,-4148.5 v1(833.5,-4148.5)
  Bottom Layer w20: C155.1@707.51,-4473.53 707.51,-4486.99 v4(723.26,-4502.74) ; v1(739.01,-4148.5) 778,-4148.5 v1(833.5,-4148.5) 833.5,-4174.47 FB18.1@833,-4174.97 ; FB18.1@833,-4187 879,-4233 879,-4255 881.11,-4255 901.88,-4275.77 938.77,-4275.77 965,-4302 C150.1@965,-4326.02 C151.1@1018,-4326.02 ; C152.1@1020,-4166.44 1020,-4169.56 v4(1038.22,-4187.78) 1062.59,-4212.15 1062.59,-4264.41 1018,-4309 C151.1@1018,-4326.02 ; v4(1038.22,-4502.74) 1038,-4502.52 C153.1@1038,-4472.03 1088,-4472.03 C149.1@1089,-4473.03 v1(1119.97,-4473.03) 1138,-4455 L7.2@1138,-4361.12 1082.12,-4361.12 1047.02,-4326.02 C151.1@1018,-4326.02
+3.3V: C5.2 C15.2 C16.2 C17.2 C55.1 C65.1 C73.1 C76.1 C107.1 C120.1 C158.1 C159.1 C160.1 C162.1 C163.1 FB6.2 FB7.2 FB8.2 FB9.1 FB13.2 FB14.2 FB16.1 FB17.1 L1.2 P3.1 P14.1 P15.5 P16.5 R5.2 R8.2 R22.1 R65.1 R85.2 R86.2 R90.2 R91.2 R93.2 R94.2 R116.2 R184.2 T2.1 U1.1 U1.21 U1.24 U1.36 U1.48 U14.1 U14.3 U16.8 U24.A2 U24.A11 U24.L1 U24.L12 | length 20091.6
  Top Layer w10: P14.1@126,-4917 126,-4872 147,-4851 417,-4851 442.15,-4825.85 v2(442.15,-4688) ; R94.2@331,-5176.98 v1(384.02,-5176.98) ; v2@394.78,-2572.78 U1.48@467.66,-2572.78 ; v1(525.73,-2693.27) U1.1@525.73,-2630.85 ; U1.36@525.73,-2298.17 v1(525.73,-2248) C5.2@525.73,-2196.79 ; v1(683.98,-4203.53) U24.L12@707.51,-4203.53 ; U24.A11@739.01,-4518.49 v4(754.76,-4502.74) ; U1.21@800.34,-2415.3 840.7,-2415.3 v1(859,-2397) ; U1.24@800.34,-2356.24 v1(858.76,-2356.24) 862.76,-2356.24 873.49,-2345.51 C16.2@917.94,-2345.51 ; v1(920.94,-2623.94) R184.2@920.94,-2586.51 ; v4(1006.72,-4502.74) U24.A2@1022.47,-4518.49 ; U24.L1@1053.97,-4203.53 1068.47,-4203.53 v1(1088,-4184) ; R85.2@1152,-4354.98 R86.2@1214,-4354.98 1214,-4433 v1(1167,-4480) ; v2@1297.26,-2227.74 v2@1303.63,-2221.37
  Top Layer w15: R5.2@249.46,-973 v1(249.46,-929.46) ; U16.8@1705,-2264.02 1705,-2329 1720,-2344 2063,-2344 ; v1(2080,-2195) U14.3@2080,-2269.02 2080,-2327 2063,-2344 ; U14.1@2180,-2253 U14.1@2180,-2269.02 2180,-2331 2167,-2344 2063,-2344
  Top Layer w20: v2(1652.98,-2264.02) U16.8@1705,-2264.02 ; U14.1@2180,-2253 2180,-2202 2189,-2193 v1(2189,-2099) ; v2(2547,-4939) 2612,-5004 2674.36,-5004 2747.62,-5077.26 FB7.2@2825,-5077.26
  Top Layer w30: P3.1@62,-3044 221,-3044 240,-3063 ; R8.2@379.71,-3150.32 C73.1@379.71,-3202.32 379.71,-3221.03 442.15,-3283.46 C76.1@442.15,-3334.32 ; 390.02,-3256.31 282.31,-3256.31 240,-3214 240,-3063 ; v2(396,-2574) 396,-2726 340,-2782 275,-2782 275,-2895 240,-2930 240,-3063 ; v2(442.15,-4688) 442.15,-4186 400.15,-4144 160,-4144 98,-4082 v2(98,-3834) 98,-3510 136,-3472 368,-3472 442.15,-3397.85 C76.1@442.15,-3334.32 ; L1.2@546.33,-3344.32 536.33,-3334.32 C76.1@442.15,-3334.32 ; v2(925.23,-2926) 972,-2879.23 R65.1@972,-2863.5 ; FB14.2@1017.77,-5064 v2(1017.77,-4969.77) 1017.77,-4725.23 v2(1055,-4688) ; FB13.2@1264,-2227.74 1297.26,-2227.74 v2(1310,-2227.74) 1327.13,-2210.61 R116.2@1346.31,-2210.61
  Mid-Layer 1 w10: P14.1@126,-4917 126,-4875 147,-4854 239,-4854 384.02,-4999.02 v1(384.02,-5176.98) ; v1@687.84,-4203.53 687.51,-4203.2 687.51,-4117.49 708.93,-4096.07 v1(865.93,-4096.07) ; v1(859,-2397) 859,-2439 920.94,-2500.94 v1(920.94,-2623.94)
  Mid-Layer 1 w15: v1(249.46,-929.46) v1(249.46,-576) 403,-422.46 403,-246 465,-184 875,-184 987,-296 v1(1344,-296) 1508,-460 v1(1615,-460)
  Mid-Layer 1 w20: v1(525.73,-2693.27) 596,-2623 v1(596,-2427) 596,-2412 525.73,-2341.73 v1(525.73,-2248) ; v1@687.84,-4203.53 717.16,-4232.84 717.16,-4461.28 754.76,-4498.88 v4(754.76,-4502.74) ; v1@858.76,-2396.76 v1(858.76,-2356.24) ; v2(1652.98,-2264.02) 1699,-2218 1699,-1939 1901.27,-1736.73 v2(1901.27,-773.27)
  Mid-Layer 1 w30: v2(925.23,-2926) 1160.26,-2690.97 1160.26,-2374.48 v2@1307,-2227.74 ; v2(1055,-4688) 1006.72,-4639.72 v4(1006.72,-4502.74) 1006.72,-4409.28 1120,-4296 1120,-4205.57 1102.43,-4188 1092,-4188 v1(1088,-4184)
  Bottom Layer w8: R90.2@748.97,-4314 748.97,-4496.95 v4(754.76,-4502.74)
  Bottom Layer w10: C159.1@706,-4532.97 755,-4532.97 C163.1@756,-4531.97 754.76,-4530.72 v4(754.76,-4502.74) ; v1(865.93,-4096.07) FB6.2@905,-4096.07 905.97,-4095.1 R93.2@905.97,-4029 ; v4(1006.72,-4502.74) 1006.72,-4564.72 1016,-4574 1132,-4574 1167,-4539 v1(1167,-4480) ; v1(1088,-4184) 1106.02,-4165.98 C158.1@1123,-4165.98 C158.1@1123,-4165.98 ; C158.1@1122.54,-4166.44 C158.1@1123,-4165.98 ; C162.1@1169,-4166.03 C158.1@1123,-4165.98 ; FB16.1@1912.46,-823.04 1994.44,-823.04 C120.1@2080.46,-823.02
  Bottom Layer w15: v1(2080,-2195) 2080,-2268.53 C55.1@2083.98,-2272.51
  Bottom Layer w20: v2@98.53,-3833.53 P15.5@219,-3833.53 244.53,-3833.53 281,-3870 410,-3870 452.47,-3827.53 P16.5@497,-3827.53 ; v1(596,-2427) 829,-2427 v1(859,-2397) ; FB9.1@637,-4200 640.53,-4203.53 v1(683.98,-4203.53) ; v2(1055,-4688) 1237,-4870 2343,-4870 2368,-4845 2453,-4845 v2(2547,-4939) ; FB17.1@1287,-296 v1(1344,-296) ; v1(1615,-460) 1615,-663 1672,-720 1873.49,-720 1901.27,-747.78 v2(1901.27,-773.27) ; FB16.1@1912.46,-823.04 1912.46,-784.46 ; v1@2189.26,-2098.74 FB8.2@2189.26,-2018
  Bottom Layer w30: v12@240,-2973 878.23,-2973 v2(925.23,-2926) ; v2(396,-2574) 451.41,-2574 452.9,-2572.51 C17.2@452.9,-2637.46 ; v2@444.15,-4688 v2(1055,-4688) ; C17.2@452.94,-2637.51 452.94,-2668.94 477.27,-2693.27 v1(525.73,-2693.27) ; v4(754.76,-4502.74) 782.46,-4475.03 R91.2@819,-4475.03 840.03,-4475.03 867.74,-4502.74 v4(1006.72,-4502.74) 990.98,-4486.99 C160.1@990.98,-4473.53 ; v2(1310,-2227.74) 1616.69,-2227.74 v2(1652.98,-2264.02) 1655.46,-2266.51 C65.1@1702.02,-2266.51
  other v12: 243,-2977
+6.5V: C47.1 C69.1 FB12.2 T1.1 U12.1 U12.3 | length 1922.4
  Top Layer w30: v5@1657.93,-4251.93 v5(1661,-4255) 1661,-4198.07 FB12.2@1657.93,-4195 1910,-4195 1986,-4119 1986,-3439 2183,-3242 T1.1@2350,-3242 v1(2391.1,-3242)
  Bottom Layer w20: U12.3@2350.93,-3315.9 2318.9,-3315.9 2305,-3302 2305,-3252 2315.9,-3241.1 U12.1@2350.93,-3241.1 C47.1@2435.33,-3241.1
  Bottom Layer w30: v5(1661,-4255) C69.1@1661,-4160.96
+6.5V_UNF: C33.1 C42.1 C46.1 C66.1 C75.1 D2.1 FB12.1 R57.1 | length 1394
  Top Layer w30: D2.1@1451,-4189.89 1585.89,-4189.89 FB12.1@1591,-4195 ; v5@1576,-4261 v5@1576.5,-4260.5 ; v5(1576,-4260) 1576,-4239 1591,-4224 FB12.1@1591,-4195 ; C75.1@1613.84,-4029 1591,-4051.84 FB12.1@1591,-4195
  Bottom Layer w30: R57.1@1501.98,-4109.49 1501.98,-4136.98 1529.5,-4164.5 C33.1@1574,-4164.5 v5@1574,-4260 ; v5(1576,-4260) 1578.87,-4262.87 1578.87,-4267.3 1609.07,-4297.5 1678.6,-4297.5 1710.1,-4266 1767,-4266 ; C66.1@1767,-4160.6 1767,-4266 ; C42.1@2136.91,-4165 C46.1@2136.91,-4265.26 2136.17,-4266 1767,-4266
+7.5V: C35.1 C37.2 FB2.2 FB4.1 FB10.1 T3.1 U4.2 | length 2680
  Top Layer w20: v2(674,-1566) 674,-1608.99 FB10.1@675.48,-1610.47 ; v2@1099,-2612.57 T3.1@1099,-2560
  Top Layer w30: FB4.1@812,-3082.02 FB4.1@805.7,-3088.32 972.32,-3088.32 1039,-3155 v5(1039,-3188.01) C35.1@1112.53,-3188.01 1200.01,-3188.01 FB2.2@1200.53,-3188.53
  Mid-Layer 1 w20: v2(1097.57,-2611) v2(1097.57,-1782.57)
  Bottom Layer w20: v2(674,-1566) 674,-1727 729.57,-1782.57 v2(1097.57,-1782.57) ; C37.2@1096.62,-2658.49 1097.57,-2657.54 v2(1097.57,-2611) U4.2@1097.57,-2556.49
  Bottom Layer w30: v5(1039,-3188.01) 1128,-3099.01 1128,-2748 1096.62,-2716.62 C37.2@1096.62,-2658.49
+8.4V: C43.1 C45.1 C58.1 C72.1 C81.1 FB2.1 L3.3 R98.2 | length 800.1
  Top Layer w30: C43.1@1195.51,-3792.35 C45.1@1195.51,-3714.46 ; C45.1@1196.51,-3713.46 R98.2@1196.51,-3660.46 ; R98.2@1197.51,-3659.46 C81.1@1197.51,-3587.46 FB2.1@1197.51,-3258.47 ; R98.2@1199.21,-3663.16 L3.3@1467.46,-3663.16
ADC1_IN1: C29.2 R1.1 U1.8 | length 374.2
  Top Layer w10: U1.8@663.53,-2630.85 663.53,-2702.53 v1(692,-2731)
  Bottom Layer w10: v1(692,-2731) 811,-2731 834,-2754 R1.1@834,-2801.53 896.42,-2801.53 C29.2@897,-2800.94
ADC1_IN2: C2.2 R2.1 U1.9 | length 500.9
  Top Layer w10: U1.9@683.21,-2630.85 683.21,-2693.21 v1(693,-2703)
  Bottom Layer w10: v1(693,-2703) 943,-2703 972,-2732 R2.1@972,-2801.53 1035.58,-2801.53 C2.2@1036,-2801.94
ADC1_IN5: C3.2 R3.1 U1.28 | length 263.7
  Top Layer w10: v1(664,-2242) 683.21,-2261.21 U1.28@683.21,-2298.17
  Bottom Layer w10: R3.1@503,-2195.98 567.24,-2195.98 568,-2196.74 568,-2230 580,-2242 v1(664,-2242)
ADC1_IN11: C10.2 R4.1 U1.26 | length 191.1
  Top Layer w8: v1(702,-2223) 722.58,-2243.58 U1.26@722.58,-2298.17
  Bottom Layer w10: C10.2@648,-2196.74 674.26,-2223 v1(702,-2223) 726.02,-2198.98 R4.1@730,-2198.98 ; R4.1@721.76,-2196.74 R4.1@725,-2199.98